# Altium PCB Seeed Case (113x70x25) - Alarm Interface (32U4).PcbDoc (continued)
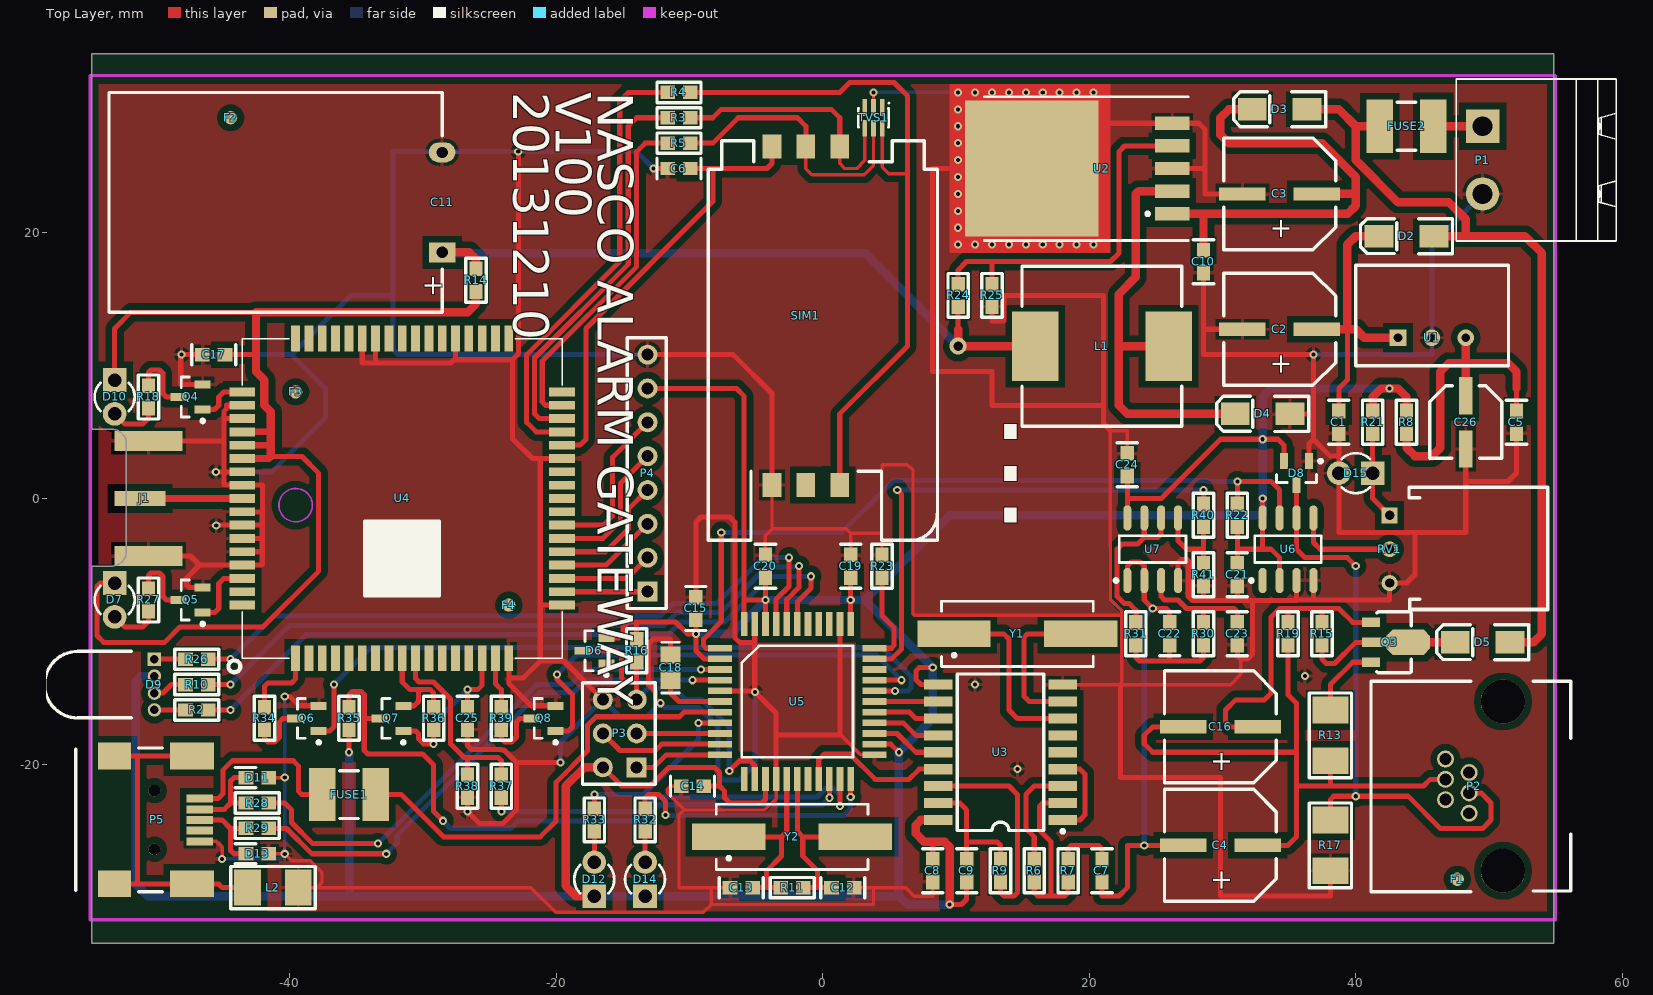
[diagram p0: Top Layer view]
## Nets (pads, with @x,y where several pads share a name; then routed paths per layer and width w, separated by ;. In a path a pad name is that pad's centre, name@x,y a point inside that pad or via, vN(x,y) a via of type N, cw(c..) or ccw(c..) an arc to the next point about the centre after c; other vN are vias at no path point)
4V: C11.1 L1.2 R14.1 R24.2 | length 53.7
  Top Layer w0.381: 10.16,12.7 R24.2
  Top Layer w0.635: C11.1 -26.543,18.475 -26.035,17.967 R14.1@-26.035,17.36 ; 10.16,12.7 v2(10.16,11.43) L1.2
  Bottom Layer w0.635: C11.1@-28.575,18.415 3.175,18.415 v2(10.16,11.43)
5V: C8.1 C9.1 C14.1 C15.1 C19.1 C20.1 C21.1 C24.1 D6.2 D8.2 D9.2 D12.1 D14.1 P3.2 P4.7 R8.2 R16.2 R21.2 R22.2 R35.2 U3.10 U3.18 U5.2 U5.14 U5.24 U5.34 U5.42 U5.44 U6.2 U6.8 U7.8 | length 314.4
  Top Layer w0.381: v1(-35.56,-19.05) R35.2 ; P3.2 -15.1,-21.59 -12.954,-21.59 -11.557,-20.193 -8.128,-20.193 -7.747,-20.574 -7.747,-21.59 ; D6.2 -15.306,-10.48 -14.986,-10.16 -14.986,-9.652 -14.605,-9.271 -13.97,-9.271 ; R16.2 -13.97,-9.271 ; P4.7 -6.477,8.255 -5.905,7.683 -5.905,-7.62 ; C15.1 v1(-9.525,-10.16) ; C14.1 -7.747,-21.59 ; U5.2 -8.915,-12.04 -9.525,-11.43 v1(-9.525,-10.16) ; U5.44 -5.905,-7.62 ; U5.14 -4.305,-22.593 -4.572,-22.86 -6.985,-22.86 -7.366,-22.479 -7.366,-21.971 -7.747,-21.59 ; U5.42 v1(-4.305,-7.62) ; C20.1 v1(-4.305,-7.62) ; U5.34 v1(2.095,-7.62) C19.1 ; U5.24 5.105,-18.44 v1(5.715,-19.05) ; C8.1 8.255,-25.781 ; v1(8.255,-12.7) 7.239,-12.7 6.985,-12.954 6.985,-13.589 7.366,-13.97 U3.10 ; v1(9.525,-30.48) 10.414,-30.48 10.795,-30.099 C9.1 ; U7.8 22.86,0 ; C24.1 22.86,0 ; C21.1 31.115,-3.81 ; R22.2 31.115,-3.81 ; v1(33.02,0) U6.8 33.02,-3.81 ; U6.2 34.29,-4.445 33.655,-3.81 33.02,-3.81 ; D8.2 34.61,3.998 34.163,4.445 v1(33.02,4.445) 29.845,4.445 25.4,0 22.86,0 ; -13.97,-9.271 -11.049,-9.271 -10.16,-10.16 v1(-9.525,-10.16) ; -5.905,-7.62 v1(-4.305,-7.62) ; 31.115,-3.81 33.02,-3.81
  Top Layer w0.635: D12.1 -18.54,-29.847 -19.304,-29.083 -19.304,-21.59 -17.894,-20.18 P3.2 ; U3.18 7.366,-24.13 6.985,-24.511 6.985,-25.146 7.62,-25.781 8.255,-25.781 9.144,-25.781 9.525,-26.162 v1(9.525,-30.48) ; R21.2 41.275,7.62 41.91,8.255 v1(42.545,8.255) 43.18,8.255 43.815,7.62 R8.2
  Bottom Layer w0.635: D9.2 -51.181,-13.335 -51.562,-13.716 -51.562,-28.956 -50.671,-29.847 -35.56,-29.847 ; v1(-35.56,-19.05) -35.56,-29.847 ; v1(-9.525,-10.16) -6.845,-10.16 v1(-4.305,-7.62) v1(2.095,-7.62) 3.175,-7.62 ; v1(9.525,-30.48) 6.35,-30.48 5.715,-29.845 ; v1(42.545,8.255) 33.655,8.255 33.02,7.62 v1(33.02,4.445) v1(33.02,0) 33.02,-1.27 9.525,-1.27 3.175,-7.62 ; -35.56,-29.847 D12.1 D14.1 5.713,-29.847 5.715,-29.845 ; 3.175,-7.62 v1(8.255,-12.7) 8.255,-16.51 v1(5.715,-19.05) 5.715,-29.845
B1: D9.4 R2.2 | length 2.3
  Top Layer w0.381: D9.4 R2.2
BLUE: R10.1 U5.40 | length 52.8
  Top Layer w0.381: R10.1 v1(-44.45,-13.97) ; U5.40 -2.705,-7.595 -1.778,-6.668 v1(-1.778,-5.08)
  Bottom Layer w0.381: v1(-44.45,-13.97) -40.005,-9.525 -11.91,-9.525 -10.957,-8.573 -7.655,-8.573 -4.226,-5.143 -1.841,-5.143 v1(-1.778,-5.08)
C2: R5.2 SIM1.C2 TVS1.5 | length 21.2
  Top Layer w0.254: SIM1.C2 -1.27,24.765 -0.813,24.308 3.099,24.308 3.81,25.019 TVS1.5
  Top Layer w0.381: R5.2 -8.255,26.67 -6.35,28.575 -1.905,28.575 -1.27,27.94 SIM1.C2
C3: R3.2 SIM1.C3 TVS1.4 | length 19.9
  Top Layer w0.254: SIM1.C3 1.27,25.146 1.651,24.765 2.54,24.765 3.16,25.385 TVS1.4
  Top Layer w0.381: R3.2 -8.255,28.575 -7.62,29.21 0.635,29.21 1.27,28.575 SIM1.C3
C7: R4.2 SIM1.C7 TVS1.6 | length 53.4
  Top Layer w0.254: TVS1.6 4.46,24.877 4.953,24.384 6.35,24.384
  Top Layer w0.381: R4.2 1.27,30.48 2.019,31.229 5.347,31.229 6.35,30.226 6.35,24.384 6.35,11.43 1.27,6.35 SIM1.C7
D+: R29.2 U5.4 | length 40.4
  Top Layer w0.381: R29.2 -40.259,-24.765 -38.354,-26.67 v1(-32.766,-26.67) ; v1(-9.779,-13.64) U5.4
  Bottom Layer w0.381: v1(-32.766,-26.67) -31.941,-25.845 -31.941,-25.274 -21.221,-14.554 -18.681,-14.554 -17.767,-13.64 v1(-9.779,-13.64)
D-: R28.2 U5.3 | length 41.5
  Top Layer w0.381: R28.2 -40.386,-22.86 -39.878,-23.368 -39.878,-24.32 -38.29,-25.908 v1(-33.401,-25.908) ; v1(-9.144,-12.827) -9.131,-12.84 U5.3 ; U5.3@-7.705,-12.827 U5.3@-7.382,-12.827
  Bottom Layer w0.381: v1(-33.401,-25.908) -21.463,-13.97 -18.923,-13.97 -17.78,-12.827 v1(-9.144,-12.827)
DTMF_0: U3.11 U5.28 | length 4.8
  Top Layer w0.381: U5.28 U3.11
DTMF_1: U3.12 U5.27 | length 5
  Top Layer w0.381: U5.27 6.515,-16.04 6.985,-16.51 U3.12
DTMF_2: U3.13 U5.26 | length 5.2
  Top Layer w0.381: U5.26 6.045,-16.84 6.985,-17.78 U3.13
DTMF_3: U3.14 U5.25 | length 5.3
  Top Layer w0.381: U5.25 5.575,-17.64 6.985,-19.05 U3.14
G1: D9.3 R10.2 | length 2.6
  Top Layer w0.381: D9.3 -49.53,-14.605 -48.895,-13.97 R10.2
GND: C1.2 C2.2 C3.2 C5.2 C6.2 C8.2 C10.2 C11.2 C12.2 C13.2 C14.2 C15.2 C17.2 C18.2 C19.2 C20.2 C21.2 C23.2 C24.2 C25.2 C26.2 D4.1 D8.1 D11.1 D13.1 D15.2 J1.2 L2.2 P1.2 P3.6 P4.8 P5.5 Q4.2 Q5.2 Q6.2 Q8.2 R17.1 R23.1 R25.1 R38.2 R41.1 RV1.3 SIM1.C5 TVS1.2 U1.2 U2.3 U2.5 U2.6 U3.9 U4.17 U4.18 U4.29 U4.39 U4.45 U4.46 U4.53 U4.54 U4.58 U4.59 U4.61 U4.62 U4.63 U4.64 U4.65 U5.5 U5.15 U5.23 U5.35 U5.43 U6.3 U6.4 U7.4 | length 768.4
  Top Layer w0.254: P5.5 -45.517,-25.73 -45.085,-26.162 v1(-45.085,-27.051) ; D13.1 v1(-40.386,-26.67) -39.865,-27.191 -38.468,-27.191 -37.592,-28.067 -37.592,-28.829 -37.973,-29.21 ; D11.1 v1(-40.386,-20.955) ; L2.2 -37.973,-29.21 ; C14.2 -11.43,-21.59 -11.684,-21.844 -11.684,-22.098 -10.401,-23.381 ; C13.2 -8.382,-29.21 ; C20.2 -4.305,-2.781 -3.81,-2.286 ; SIM1.C5 -3.81,-2.286 ; U5.15 -3.505,-22.529 -4.356,-23.381 -10.401,-23.381 ; 1.295,-17.755 1.346,-17.755 2.831,-19.24 U5.23 ; C19.2 2.095,-2.604 ; C12.2 3.81,-29.21 ; TVS1.2 v1(3.81,30.48) ; 4.381,-2.604 2.095,-2.604 ; R23.1 4.445,2.54 6.35,2.54 6.775,2.115 6.775,-8.68 6.858,-8.763 22.435,-8.763 ; C8.2 8.255,-29.845 6.858,-29.845 6.223,-29.21 3.81,-29.21 ; U3.9 22.352,-13.97 ; C24.2 22.86,5.08 21.59,5.08 21.59,-3.569 21.577,-3.582 21.577,-7.582 22.435,-8.44 22.435,-8.763 ; 31.369,-12.065 31.369,-13.208 30.607,-13.97 22.352,-13.97 ; -37.973,-29.21 -21.907,-29.21 -20.051,-31.066 -8.968,-31.066 -8.382,-30.48 ; -10.401,-23.381 -10.795,-23.774 -10.795,-29.21 -8.382,-29.21 ; -8.382,-30.48 3.81,-30.48 3.81,-29.21 ; -8.382,-30.48 -8.382,-29.21 ; -3.81,-2.286 1.777,-2.286 2.095,-2.604 ; 22.352,-13.97 22.435,-13.887 22.435,-8.763
  Top Layer w0.381: J1.2@-50.619,-4.318 -47.465,-4.318 -46.783,-5 ; J1.2@-50.619,4.318 -44.958,4.318 ; C17.2 v1(-48.133,10.795) -48.194,10.734 -48.194,8.57 Q4.2 ; Q5.2 -47.559,-6.67 -47.752,-6.477 -47.752,-5.969 -46.783,-5 ; v1(-45.561,2) -44.958,2 ; v1(-45.529,-2.032) -45.561,-2 U4.62 -42.085,-2 ; U4.64 -42.117,-4 ; U4.63 -42.101,-3 ; U4.61 -42.069,-1 -42.053,-1.016 ; U4.58 -44.958,2 ; U4.54 -44.927,6 -44.958,5.969 ; U4.53 -44.74,7 -44.755,6.985 -44.755,6.743 -44.958,6.54 -44.958,5.969 ; v1(-40.386,-14.859) -40.005,-14.859 -39.304,-15.56 Q6.2 ; U4.46 -34.569,10.185 -33.299,10.185 ; -33.569,10.16 -27.94,10.16 -27.686,10.414 -27.568,10.414 ; -33.569,10.246 U4.45 ; C11.2@-28.702,26.035 C11.2@-28.642,25.975 ; U4.39 -27.568,10.414 ; R38.2 v1(-26.67,-23.495) -25.781,-24.384 -24.003,-24.384 -22.987,-23.368 -22.987,-19.812 ; C25.2 -26.67,-18.542 -26.365,-18.847 -24.143,-18.847 ; -24.117,-18.872 -23.927,-18.872 -22.987,-19.812 ; U4.17 -23.568,-13.462 ; v1(-22.86,26.035) -22.844,26.019 -22.844,10.872 -23.302,10.414 ; -21.21,-7.748 -21.21,2.874 -21.336,3 ; -21.209,-7.748 -21.209,-8 ; Q8.2 -21.905,-15.56 -23.568,-13.897 -23.568,-13.462 ; v1(-19.685,-19.812) -22.987,-19.812 ; U4.18 -21.209,-8 ; U4.29 -21.336,3 ; P3.6@-16.561,-15.1 P3.6 -19.418,-12.192 -21.209,-12.192 ; P4.8 -6.731,10.795 -3.81,7.874 SIM1.C5 ; v1(-12.7,24.765) C6.2 ; v1(-12.192,-15.367) -12.573,-14.986 -12.573,-14.478 -13.076,-13.975 -13.076,-10.917 -12.7,-10.541 -11.43,-10.541 C18.2 ; C15.2 -9.525,-1.778 -9.144,-1.397 -6.985,-1.397 -6.604,-1.778 -6.604,-10.448 -6.257,-10.795 -5.105,-10.795 ; U5.5 v1@-5.169,-14.44 ; U5.43 -5.105,-10.795 ; U5.15 -3.505,-17.856 ; U5.35 1.295,-17.755 -3.404,-17.755 -3.505,-17.856 ; R25.1 12.7,13.335 13.589,13.335 13.589,15.24 21.082,15.24 21.082,5.588 21.59,5.08 ; U2.6 8.255,24.765 8.255,9.525 12.7,9.525 12.7,6.985 20.955,6.985 ; 21.307,28.165 U2.5 28.223,28.165 28.702,27.686 28.702,22.86 C3.2 ; 22.352,-13.97 22.352,-20.955 29.845,-20.955 29.845,-29.845 38.1,-29.845 R17.1 ; U2.3 28.702,24.765 ; U7.4 26.67,-4.826 26.924,-4.572 27.305,-4.572 27.432,-4.699 27.432,-7.366 27.737,-7.671 28.575,-7.671 ; R41.1 28.575,-7.671 ; C10.2 28.575,12.7 ; C23.2 31.115,-11.811 31.369,-12.065 31.877,-12.065 32.258,-11.684 32.258,-7.671 ; 31.115,-7.544 C21.2 ; C2.2 28.575,12.7 ; D4.1 36.83,6.35 ; U6.3 35.56,-7.62 ; D8.1 36.51,4.125 36.83,4.445 ; U6.4 36.83,-7.62 ; C1.2 38.735,3.175 ; C26.2 48.26,1.27 ; C5.2 52.07,1.905 51.435,1.27 48.26,1.27 ; -46.783,-5 U4.65 -42.116,-5 -42.053,-4.937 -42.053,-1.016 ; -44.958,2 -44.958,4.318 ; -44.958,2 -44.958,1.016 -43.585,1.016 U4.59 -42.053,1 -42.053,-1.016 ; -44.958,4.318 -44.958,5.969 ; -27.568,10.414 -23.302,10.414 ; -23.568,-13.462 -22.479,-13.462 -21.209,-12.192 ; -23.302,10.414 -23.302,4.506 -21.796,3 -21.336,3 ; -21.209,-12.192 -21.209,-8 ; v1@-5.169,-14.44 -5.105,-14.376 -5.105,-10.795 ; v1@-5.169,-14.44 v1(-5.08,-14.529) -3.505,-16.104 -3.505,-17.856 ; 28.575,-7.671 32.258,-7.671 ; 28.575,12.7 28.575,10.795 v1(36.83,10.795) 36.83,6.35 ; 32.258,-7.671 35.509,-7.671 35.56,-7.62 ; 35.56,-7.62 36.83,-7.62 ; 36.83,-7.62 42.545,-7.62 RV1.3 43.815,-6.35 44.45,-5.715 44.45,-2.54 ; 36.83,4.445 38.1,3.175 38.735,3.175 ; 36.83,4.445 36.83,6.35 ; 38.735,3.175 38.735,1.899 D15.2 38.737,-2.538 42.679,-2.538 42.68,-2.54 44.45,-2.54 ; 44.45,-2.54 48.26,-2.54 48.26,1.27
  Bottom Layer w0.254: v1(-45.085,-27.051) -40.767,-27.051 v1(-40.386,-26.67) v1(-40.386,-20.955) v1(-40.386,-14.859) ; v1(3.81,30.48) v1(10.16,30.48)
  Bottom Layer w0.381: v1(-48.133,10.795) -39.878,10.795 ; v1(-45.561,2) -41.37,2 -37.338,6.032 -37.338,8.255 -39.878,10.795 ; v1(-19.685,-19.812) -19.685,-18.275 P3.6 -15.227,-16.383 -13.208,-16.383 v1(-12.192,-15.367) -11.875,-15.684 -9.306,-15.684 -7.874,-17.116 -7.874,-20.701 -7.429,-21.145 -6.286,-21.145 -5.08,-19.939 v1(-5.08,-14.529) ; P4.8 -31.877,10.795 -32.258,11.176 -32.258,15.24 ; v1(-12.7,24.765) -13.97,26.035 v1(-22.86,26.035) -32.258,26.035 -32.258,15.24 ; v1(36.83,10.795) 45.72,10.795 U1.2 45.72,19.05 P1.2 ; -39.878,10.795 -35.433,15.24 -32.258,15.24
  other v1: 14.605,-20.32 11.43,-13.97 36.195,-13.335 10.16,19.05 11.43,19.05 12.7,19.05 13.97,19.05 15.24,19.05 16.51,19.05 17.78,19.05 19.05,19.05 20.32,19.05 10.16,20.32 10.16,21.59 10.16,22.86 10.16,24.13 10.16,25.4 10.16,26.67 10.16,27.94 10.16,29.21 11.43,30.48 12.7,30.48 13.97,30.48 15.24,30.48 16.51,30.48 17.78,30.48 19.05,30.48 20.32,30.48
GREEN: R2.1 U5.39 | length 53.4
  Top Layer w0.381: R2.1 v1(-44.45,-15.875) ; U5.39 -1.905,-7.747 -0.889,-6.731 v1(-0.889,-5.842)
  Bottom Layer w0.381: v1(-44.45,-15.875) -38.798,-10.223 -11.62,-10.223 -10.668,-9.271 -7.366,-9.271 -3.937,-5.842 v1(-0.889,-5.842)
HWB: R23.2 U5.33 | length 7
  Top Layer w0.381: U5.33 5.143,-11.24 5.334,-11.049 5.334,-9.686 4.445,-8.797 R23.2
LINE: C4.2 C7.2 C22.2 U7.1 U7.2 | length 36.9
  Top Layer w0.381: C7.2 20.955,-29.845 22.225,-29.845 22.86,-29.21 22.86,-26.035 v1(24.13,-26.035) C4.2 ; U7.1 22.86,-5.08 23.177,-4.763 23.812,-4.763 24.13,-5.08 U7.2 24.13,-7.62 v1(24.765,-8.255) 25.781,-8.255 26.035,-8.509 C22.2
  Bottom Layer w0.381: v1(24.13,-26.035) 24.13,-8.89 v1(24.765,-8.255)
LINE_L: P4.6 U4.24 | length 12.2
  Top Layer w0.381: U4.24 -16.478,-2 -15.773,-1.295 -15.773,3.095 P4.6
LINE_R: P4.5 U4.23 | length 10.6
  Top Layer w0.381: U4.23 -16.51,-3 -15.189,-1.679 -15.189,1.139 P4.5
MIC_N: P4.2 U4.20 | length 7.1
  Top Layer w0.381: U4.20 -14.709,-6 P4.2
MIC_P: P4.1 U4.19 | length 6.4
  Top Layer w0.381: U4.19 -13.169,-7 P4.1
MISO: P3.1 U5.11 | length 6.7
  Top Layer w0.381: P3.1 -12.687,-20.18 -11.747,-19.24 U5.11
MOSI: P3.4 U5.10 | length 9.5
  Top Layer w0.381: P3.4 -15.227,-18.923 -12.573,-18.923 -12.09,-18.44 U5.10
NetC5_1: C5.1 C26.1 R8.1 U1.3 | length 23.4
  Top Layer w0.381: C5.1 52.07,8.255
  Top Layer w0.635: R8.1 43.815,3.81 44.45,3.175 45.72,3.175 46.355,3.81 46.355,9.525 46.99,10.16 48.26,10.16 ; C26.1 48.26,10.16 ; U1.3 48.26,10.16 ; 52.07,8.255 52.07,9.525 51.435,10.16 48.26,10.16
NetC7_1: C7.1 R7.1 | length 4.4
  Top Layer w0.381: R7.1 18.415,-26.289 18.669,-26.035 20.701,-26.035 20.955,-26.289 C7.1
NetC9_2: C9.2 R9.2 U3.17 | length 9.8
  Top Layer w0.381: U3.17 10.287,-22.86 10.795,-23.368 10.795,-25.781 ; C9.2 10.795,-25.781 ; R9.2 13.335,-26.035 13.081,-25.781 10.795,-25.781
NetC16_1: C16.1 Q3.3 R15.1 R19.2 | length 23.4
  Top Layer w0.381: C16.1 30.607,-17.145 30.226,-16.764 30.226,-15.875 30.988,-15.113 33.147,-15.113 33.655,-14.605 33.655,-8.89 34.29,-8.255 34.925,-8.255 ; R19.2 34.925,-8.255 ; R15.1 37.465,-8.255 ; Q3.3 39.775,-9.295 38.735,-8.255 37.465,-8.255 ; 34.925,-8.255 37.465,-8.255
NetC18_1: C18.1 U5.6 | length 4.9
  Top Layer w0.381: C18.1 -11.43,-14.605 -10.795,-15.24 U5.6
NetC22_1: C22.1 R30.1 R31.2 | length 8.3
  Top Layer w0.381: R31.2 23.495,-11.938 23.749,-12.192 26.035,-12.192 ; C22.1 26.035,-12.192 ; R30.1 28.575,-11.938 28.321,-12.192 26.035,-12.192
NetC23_1: C23.1 R30.2 U7.3 | length 9.3
  Top Layer w0.381: U7.3 25.4,-7.366 25.654,-7.62 26.67,-7.62 27.305,-8.255 28.575,-8.255 ; R30.2 28.575,-8.255 ; C23.1 31.115,-8.509 30.861,-8.255 28.575,-8.255
NetD4_2: D4.2 L1.1 U2.2 | length 32
  Top Layer w0.635: L1.1 22.225,11.43 ; U2.2 23.7,23.065 23.495,22.86 23.495,16.612 22.225,15.342 22.225,11.43 ; D4.2 22.86,6.35 22.225,6.985 22.225,11.43
NetD7_2: D7.2 R27.2 | length 3.8
  Top Layer w0.381: D7.2 -52.388,-9.652 -51.054,-9.652 -50.619,-9.217 R27.2
NetD10_2: D10.2 R18.2 | length 3.8
  Top Layer w0.381: D10.2 -52.388,5.588 -51.054,5.588 -50.619,6.023 R18.2
NetD12_2: D12.2 R33.2 | length 2.3
  Top Layer w0.381: D12.2@-17.145,-27.299 R33.2
NetD14_2: D14.2 R32.2 | length 2.3
  Top Layer w0.381: D14.2@-13.335,-27.299 R32.2
NetD15_1: D15.1 R21.1 RV1.1 | length 6.7
  Top Layer w0.381: R21.1@41.277,4.863 D15.1 41.275,1.896 41.275,0 RV1.1
NetFUSE1_1: FUSE1.1 P5.1 | length 13.6
  Top Layer w0.381: P5.1 -45.39,-22.53 -45.034,-22.174 -45.034,-20.396 -44.323,-19.685 -39.751,-19.685 -39.37,-20.066 -39.37,-21.971 -39.116,-22.225 FUSE1.1
NetL2_1: L2.1 P5.0 | length 25.5
  Top Layer w0.381: P5.0@-53.165,-28.93 -51.435,-28.93 ; P5.0@-53.165,-19.33 -51.435,-19.33 ; P5.0@-47.365,-19.33 -51.435,-19.33 ; L2.1 -45.085,-29.21 -45.365,-28.93 -47.365,-28.93 -51.435,-28.93 ; -51.435,-28.93 -51.435,-19.33
NetQ3_1: Q3.1 R13.2 | length 5.7
  Top Layer w0.381: R13.2 38.1,-13.97 39.775,-12.295 Q3.1
NetQ4_3: Q4.3 R18.1 | length 5.1
  Top Layer w0.381: R18.1 -50.619,9.452 -50.419,9.652 -49.784,9.652 -49.53,9.398 -49.53,7.874 -49.276,7.62 Q4.3
NetQ5_3: Q5.3 R27.1 | length 5.1
  Top Layer w0.381: R27.1 -50.619,-5.788 -50.419,-5.588 -49.784,-5.588 -49.53,-5.842 -49.53,-7.366 -49.276,-7.62 Q5.3
NetQ6_3: Q6.3 R34.1 | length 4.5
  Top Layer w0.381: R34.1 -41.91,-18.034 -41.656,-18.288 -41.148,-18.288 -40.767,-17.907 -40.767,-16.764 -40.513,-16.51 Q6.3
NetQ7_2: Q7.2 R36.1 U4.9 | length 7.7
  Top Layer w0.381: U4.9 -31.568,-13.771 -30.988,-14.351 -30.353,-14.351 ; Q7.2 -30.673,-15.56 -30.353,-15.24 -30.353,-14.351 ; R36.1 -29.21,-14.605 -29.464,-14.351 -30.353,-14.351
NetQ8_3: Q8.3 R39.1 | length 4.5
  Top Layer w0.381: R39.1 -24.13,-18.034 -23.876,-18.288 -23.368,-18.288 -22.987,-17.907 -22.987,-16.764 -22.733,-16.51 Q8.3
NetR6_1: R6.1 R7.2 U3.2 | length 13.3
  Top Layer w0.381: R6.1 15.875,-29.591 16.129,-29.845 17.145,-29.845 ; U3.2 16.51,-22.86 16.256,-23.114 16.256,-24.892 17.145,-25.781 17.145,-29.845 ; R7.2 18.415,-29.591 18.161,-29.845 17.145,-29.845
NetR6_2: R6.2 U3.3 | length 8.2
  Top Layer w0.381: R6.2 15.875,-25.4 15.24,-24.765 15.24,-22.225 15.875,-21.59 U3.3
NetR9_1: R9.1 U3.16 | length 15.9
  Top Layer w0.381: U3.16 13.97,-21.59 14.605,-22.225 14.605,-29.591 14.351,-29.845 13.589,-29.845 13.335,-29.591 R9.1
NetR24_1: R24.1 R25.2 U2.4 | length 27.1
  Top Layer w0.381: R24.1 10.16,17.145 10.795,17.78 12.7,17.78 ; R25.2 12.7,17.78 ; U2.4 22.655,26.465 22.225,26.035 22.225,18.415 21.59,17.78 12.7,17.78
NetR31_1: R31.1 U7.6 U7.7 | length 12.7
  Top Layer w0.381: R31.1 23.495,-8.382 22.987,-7.874 22.606,-7.874 22.098,-7.366 22.098,-3.81 22.479,-3.429 23.622,-3.429 24.13,-2.921 ; U7.7 24.13,-2.921 ; U7.6 25.4,-2.667 25.146,-2.921 24.13,-2.921
NetR34_2: R34.2 U4.1 | length 5.7
  Top Layer w0.381: R34.2 -41.91,-14.097 -41.656,-13.843 -39.878,-13.843 -39.569,-13.534 U4.1
NetR37_2: R37.2 R38.1 U4.10 | length 14.8
  Top Layer w0.381: U4.10 -30.568,-13.501 -30.302,-13.767 -29.222,-13.767 -27.94,-15.049 -27.94,-18.415 -26.924,-19.431 -26.67,-19.431 ; R38.1 -26.67,-19.431 ; R37.2 -24.13,-20.105 -24.13,-19.685 -24.384,-19.431 -26.67,-19.431
NetR39_2: R39.2 U4.16 | length 3.8
  Top Layer w0.381: U4.16 -24.568,-13.913 -24.13,-14.351 R39.2
NetR40_2: R40.2 R41.2 U7.5 | length 6.6
  Top Layer w0.381: U7.5 26.67,-3.175 27.305,-3.81 28.575,-3.81 ; R41.2 28.575,-3.81 ; R40.2 28.575,-3.81
NetU3_1: U3.1 U3.4 | length 6.7
  Top Layer w0.381: U3.1 19.304,-24.13 19.685,-23.749 19.685,-20.701 19.304,-20.32 U3.4
NetU3_7: U3.7 Y1.1 | length 14.5
  Top Layer w0.381: Y1.1@9.22,-10.16 13.589,-10.16 13.97,-10.541 13.97,-15.875 14.605,-16.51 U3.7
NetU3_8: U3.8 Y1.2 | length 11.2
  Top Layer w0.381: U3.8 15.494,-15.24 15.113,-14.859 15.113,-10.414 15.367,-10.16 Y1.2@18.72,-10.16
O\F\F\H\O\O\K\: R22.1 U5.1 U6.7 | length 58
  Top Layer w0.381: U5.1 -8.75,-11.24 -8.941,-11.049 -8.941,-10.564 -7.62,-9.243 v1(-7.62,-2.54) ; R22.1 v1(31.115,1.27) 33.655,1.27 34.29,0.635 U6.7
  Bottom Layer w0.381: v1(-7.62,-2.54) 1.425,-2.54 5.299,1.333 28.864,1.333 28.928,1.27 v1(31.115,1.27)
R1: D9.1 R26.2 | length 2.3
  Top Layer w0.381: D9.1 R26.2
R\E\S\E\T\: D6.3 P3.5 R16.1 U5.13 | length 24
  Top Layer w0.381: D6.3 -15.494,-11.43 -15.113,-11.811 -15.113,-13.462 -14.859,-13.716 -13.97,-13.716 ; P3.5 -13.97,-13.716 ; R16.1 -13.97,-13.716 ; v1(-7.019,-20.447) -6.257,-19.685 -5.461,-19.685 -5.105,-20.041 U5.13
  Bottom Layer w0.381: P3.5 -13.094,-14.224 -11.163,-14.224 -10.287,-15.1 -9.064,-15.1 -7.019,-17.145 v1(-7.019,-20.447)
RED: R26.1 U5.41 | length 52.2
  Top Layer w0.381: R26.1 v1(-44.45,-12.065) ; U5.41 -3.505,-7.569 -2.54,-6.604 v1(-2.54,-4.445)
  Bottom Layer w0.381: v1(-44.45,-12.065) -41.211,-8.826 -12.199,-8.826 -11.247,-7.874 -7.945,-7.874 -4.516,-4.445 v1(-2.54,-4.445)
REF: RV1.2 U6.5 | length 7.8
  Top Layer w0.381: U6.5 36.83,-3.302 37.338,-3.81 RV1.2
RF_ANT: J1.1 U4.60 | length 7.7
  Top Layer w0.508: J1.1 U4.60
RING(-): D8.3 P2.4 R17.2 U6.6 | length 45.3
  Top Layer w0.381: D8.3 U6.6 35.56,-3.81 36.195,-4.445 39.37,-4.445 v1(40.005,-5.08) ; R17.2 38.1,-22.606 38.354,-22.352 v1(40.005,-22.352) 43.942,-22.352 46.355,-24.765 49.53,-24.765 50.165,-24.13 50.165,-22.86 49.403,-22.098 P2.4
  Bottom Layer w0.381: v1(40.005,-22.352) v1(40.005,-5.08)
RXLED: R33.1 U5.8 | length 13.5
  Top Layer w0.381: R33.1 v1(-17.145,-22.225) ; v1(-9.322,-16.84) U5.8
  Bottom Layer w0.381: v1(-17.145,-22.225) -13.462,-22.225 -9.322,-18.085 v1(-9.322,-16.84)
SCK: P3.3 U5.9 | length 6.3
  Top Layer w0.381: P3.3 U5.9
SIM900_NETLIGHT: Q4.1 U4.52 | length 3.9
  Top Layer w0.381: Q4.1 -45.654,6.67 -45.339,6.985 -45.339,7.62 -44.959,8 U4.52
SIM900_P\W\R\: Q6.1 U5.29 | length 53.5
  Top Layer w0.381: Q6.1 -37.018,-17.46 -36.703,-17.145 v1(-36.703,-13.97) ; U5.29 v1(5.423,-14.44)
  Bottom Layer w0.381: v1(-36.703,-13.97) -33.909,-11.176 4.445,-11.176 6.616,-13.347 6.616,-14.212 6.388,-14.44 v1(5.423,-14.44)
SIM900_R\E\S\E\T\: Q8.1 U5.30 | length 35.1
  Top Layer w0.381: Q8.1 -19.111,-17.46 -18.796,-17.145 -18.796,-14.732 -19.939,-13.589 v1(-19.939,-13.208) ; U5.30 v1(5.918,-13.64)
  Bottom Layer w0.381: v1(-19.939,-13.208) -18.491,-11.76 4.038,-11.76 v1(5.918,-13.64)
SIM900_RXD: R37.1 U5.21 | length 30.3
  Top Layer w0.381: v1(-24.13,-23.495) -24.13,-22.733 R37.1 ; v1(1.295,-23.089) U5.21
  Bottom Layer w0.381: v1(-24.13,-23.495) -13.653,-23.495 -12.561,-22.403 -0.43,-22.403 0.206,-21.768 0.784,-21.768 1.295,-22.278 v1(1.295,-23.089)
SIM900_STATUS: Q5.1 U4.66 | length 5.1
  Top Layer w0.381: Q5.1 -45.654,-8.57 -45.339,-8.255 -45.339,-6.38 -44.959,-6 U4.66
SIM900_TXD: Q7.3 R35.1 U5.20 | length 49.4
  Top Layer w0.381: R35.1 -35.56,-14.732 -35.306,-14.478 -34.671,-14.478 -34.417,-14.732 -34.417,-16.51 ; Q7.3 -34.417,-16.51 ; v1(-28.512,-24.193) -29.21,-23.495 -29.21,-20.002 -30.048,-19.164 -34.176,-19.164 -34.417,-18.923 -34.417,-16.51 ; v1(0.495,-22.466) U5.20
  Bottom Layer w0.381: v1(-28.512,-24.193) -27.94,-24.765 -23.432,-24.765 -22.86,-24.193 -13.525,-24.193 -12.319,-22.987 -0.026,-22.987 v1(0.495,-22.466)
SIM_CLK: R3.1 U4.32 | length 29.9
  Top Layer w0.381: U4.32 -21.291,6 -21.641,6.35 -21.641,10.553 -14.605,17.589 -14.605,27.94 -13.97,28.575 R3.1
SIM_DATA: R4.1 U4.31 | length 33.8
  Top Layer w0.381: U4.31 -21.51,5 -22.225,5.715 -22.225,10.795 -15.24,17.78 -15.24,29.845 -14.605,30.48 R4.1
SIM_RST: R5.1 U4.33 | length 25.9
  Top Layer w0.381: U4.33 -20.818,7 -21.057,7.239 -21.057,10.311 -13.97,17.398 -13.97,26.035 -13.335,26.67 R5.1
SIM_VDD: C6.1 SIM1.C1 U4.30 | length 33.8
  Top Layer w0.381: U4.30 -18.225,4 -17.78,4.445 -17.78,12.761 -8.255,22.286 -8.255,24.765 ; C6.1 -8.255,24.765 ; SIM1.C1 -3.81,25.146 -4.191,24.765 -8.255,24.765
SPK_N: P4.4 U4.22 | length 9.2
  Top Layer w0.381: U4.22 -16.319,-4 -14.605,-2.286 -14.605,-0.816 P4.4
SPK_P: P4.3 U4.21 | length 7.7
  Top Layer w0.381: U4.21 -16.249,-5 P4.3
STD: U3.15 U5.19 | length 11.7
  Top Layer w0.381: U5.19 -0.305,-19.609 0.127,-19.177 2.032,-19.177 3.937,-21.082 6.477,-21.082 7.239,-20.32 U3.15
TIP(+): C4.1 C16.2 P2.3 R13.1 R19.1 | length 46.6
  Top Layer w0.381: C16.2 24.765,-17.145 24.13,-17.78 24.13,-18.415 24.765,-19.05 35.56,-19.05 ; C4.1 34.925,-26.035 35.56,-25.4 35.56,-21.59 ; R19.1 34.925,-14.732 35.56,-15.367 35.56,-19.05 ; R13.1 38.1,-21.59 ; P2.3 45.593,-21.082 45.085,-21.59 38.1,-21.59 ; 35.56,-21.59 38.1,-21.59 ; 35.56,-21.59 35.56,-19.05
TONE: R40.1 U5.32 | length 38.4
  Top Layer w0.381: U5.32 5.169,-12.04 5.918,-11.291 5.918,0.305 v1(5.588,0.635) ; R40.1 v1(28.575,0.635)
  Bottom Layer w0.381: v1(5.588,0.635) v1(28.575,0.635)
TXLED: R32.1 U5.22 | length 20
  Top Layer w0.381: R32.1 -13.335,-22.479 -13.081,-22.225 -12.319,-22.225 -11.811,-22.733 v1(-11.811,-23.749) ; v1(2.095,-22.416) U5.22
  Bottom Layer w0.381: v1(-11.811,-23.749) -11.772,-23.788 1.584,-23.788 2.095,-23.277 v1(2.095,-22.416)
USB+: D13.2 P5.3 R29.1 | length 6.6
  Top Layer w0.381: P5.3 -45.085,-24.13 -44.45,-24.765 ; D13.2 -44.196,-26.67 -44.45,-26.416 -44.45,-24.765 ; R29.1 -44.45,-24.765
USB-: D11.2 P5.2 R28.1 | length 6.6
  Top Layer w0.381: P5.2 -44.92,-23.33 -44.45,-22.86 ; R28.1 -44.45,-22.86 ; D11.2 -44.196,-20.955 -44.45,-21.209 -44.45,-22.86
V+: D2.1 D3.1 D5.1 FUSE2.2 | length 58.6
  Top Layer w0.635: D3.1 38.735,29.21 40.005,27.94 ; FUSE2.2 40.005,27.94 ; 46.99,19.685 48.26,19.685 ; D5.1 53.34,-10.795 53.975,-10.16 53.975,18.415 52.705,19.685 48.26,19.685 ; 40.005,27.94 40.005,25.4 43.18,22.225 46.99,22.225 48.26,20.955 48.26,19.685
V+1: C3.1 C10.1 D3.2 U2.1 | length 37.3
  Top Layer w0.635: U2.1 28.575,21.365 ; C10.1 28.575,21.365 ; D3.2 30.48,29.21 29.845,28.575 29.845,27.305 30.48,26.67 37.465,26.67 40.005,24.13 40.005,22.987 ; C3.1 39.878,22.86 40.005,22.987 ; 28.575,21.365 39.399,21.365 40.005,21.971 40.005,22.987
V+2: C1.1 C2.1 D2.2 U1.1 | length 21.8
  Top Layer w0.381: C1.1 38.735,8.255 39.37,8.89 39.37,12.7
  Top Layer w0.635: C2.1 39.37,12.7 ; D2.2 40.005,19.685 39.37,19.05 39.37,12.7 ; U1.1 40.64,12.065 40.005,12.7 39.37,12.7
V_LINE: D5.2 Q3.2 R15.2 | length 11.9
  Top Layer w0.381: R15.2 37.465,-12.065 37.782,-12.383 38.417,-12.383 40.005,-10.795 Q3.2@41.382,-10.795
  Top Layer w0.635: Q3.2@41.383,-10.795 43.933,-10.795 D5.2
VBAT: C17.1 D7.1 D10.1 R14.2 U4.55 U4.56 U4.57 | length 87.5
  Top Layer w0.381: D7.1 -54.224,-6.348 -54.479,-6.604 -54.479,-10.291 -53.975,-10.795 -49.403,-10.795 -48.26,-9.652 -42.037,-9.652 -37.844,-5.459 -37.844,1.903 -39.097,3.156 -41.421,3.156 ; D10.1 -53.151,12.762 -51.943,13.97 -42.545,13.97 ; C17.1 -42.545,10.795
  Top Layer w0.508: U4.57 -41.577,3 -41.421,3.156 ; U4.55 -41.421,5 ; -42.545,4 -41.421,4
  Top Layer w0.635: -41.421,3.156 -41.421,4 -41.421,5 -41.421,6.496 -41.91,6.985 -41.91,8.89 -42.545,9.525 -42.545,10.795 -42.545,13.97 -26.67,13.97 -26.035,14.605 R14.2 R14.2@-26.035,15.66
VBUS: FUSE1.2 U5.7 | length 33.9
  Top Layer w0.381: FUSE1.2 -31.647,-22.225 -28.472,-25.4 -21.209,-25.4 -20.015,-24.206 -20.015,-21.295 -17.654,-18.934 -17.654,-17.019 -17.018,-16.383 -10.757,-16.383 -10.414,-16.04 U5.7
VDD_EXT: C25.1 Q7.1 R36.2 U4.15 | length 13.6
  Top Layer w0.381: Q7.1 -30.546,-17.46 -30.353,-17.653 -30.353,-18.034 -29.972,-18.415 v1(-29.21,-18.415) R36.2 ; C25.1 v1(-26.67,-14.351) -25.908,-14.351 -25.568,-14.011 U4.15
  Bottom Layer w0.381: v1(-29.21,-18.415) -29.21,-16.891 v1(-26.67,-14.351)
VIN: FUSE2.1 P1.1 | length 3.7
  Top Layer w0.635: FUSE2.1 P1.1
XTAL1: C12.1 R11.2 U5.17 Y2.2 | length 21.6
  Top Layer w0.381: U5.17 -1.905,-25 -1.505,-25.4 ; R11.2 -0.4,-29.21 ; C12.1 -0.4,-29.21 ; -1.505,-26.835 -1.505,-25.4 ; -1.505,-26.835 -0.4,-27.94 ; -1.505,-26.835 -0.4,-27.94 ; -1.505,-25.4 Y2.2 -1.505,-25.4 ; -0.4,-29.21 -0.4,-27.94 ; -0.4,-29.21 -0.4,-27.94
XTAL2: C13.1 R11.1 U5.16 Y2.1 | length 14.9
  Top Layer w0.381: Y2.1 -3.105,-25.4 ; C13.1 -4.21,-29.21 ; R11.1 -4.21,-29.21 ; U5.16 -2.705,-25 -3.105,-25.4 ; -4.21,-29.21 -4.21,-27.94 -3.105,-26.835 -3.105,-25.4
pads on no net: D6.1 F1.0 F2.0 F3.0 F4.0 P2.0 P2.1 P2.2 P2.5 P2.6 P5.4 P5.MT SIM1.C6 TVS1.1 TVS1.3 U3.5 U3.6 U4.2 U4.3 U4.4 U4.5 U4.6 U4.7 U4.8 U4.11 U4.12 U4.13 U4.14 U4.25 U4.26 U4.27 U4.28 U4.34 U4.35 U4.36 U4.37 U4.38 U4.40 U4.41 U4.42 U4.43 U4.44 U4.47 U4.48 U4.49 U4.50 U4.51 U4.67 U4.68 U5.12 U5.18 U5.31 U5.36 U5.37 U5.38 U6.1

## Polygon pours and split planes (outlines as drawn)
GND on Top Layer "GND" (solid, remove dead copper, pour order 2): -55.127,-31.631 ccw(c-55,-31.635) -55,-31.762 55,-31.762 ccw(c55,-31.635) 55.127,-31.635 55.127,31.746 ccw(c55,31.75) 55.127,31.75 ccw(c55,31.75) 55,31.877 -55,31.877 ccw(c-55,31.75) -55.127,31.75
GND on Bottom Layer "GND" (solid, remove dead copper, pour order 3): -55.127,-31.631 ccw(c-55,-31.635) -55,-31.762 55,-31.762 ccw(c55,-31.635) 55.127,-31.635 55.127,31.746 ccw(c55,31.75) 55.127,31.75 ccw(c55,31.75) 55,31.877 -55,31.877 ccw(c-55,31.75) -55.127,31.75

## Keep-outs
Keep-Out Layer:
  lines w0.254: 55,31.75 -55,31.75 -55,-31.635 55,-31.635 55,31.75 ; 55,31.75 55,31.75

## Silkscreen, mask and mechanical layers (free items; w line width, h text height)
Top Overlay:
  text "20131210" at -24.13,30.48 h4.57 r270
  text "V100" at -20.955,30.48 h4.57 r270
  text "NASCO ALARM GATEWAY" at -17.78,30.48 h4.57 r270
  text "⋮" at 9.525,-3.175 h11.43
Bottom Overlay:
  text "http://ludzinc.blogspot.com.au" at 9.493,28.126 h4.57
  text "⋮" at -25.4,18.415 h38.1 r90
Mechanical 1:
  lines w0.254: -52.399,-0.129 -52.399,4.08 ccw(c-53.399,4.08) -53.399,5.08 -55,5.08 -55,33.5 55,33.5 55,-33.5 ; -52.399,0.256 -52.399,-3.953 cw(c-53.399,-3.953) -53.399,-4.953 -55,-4.953 ; -55,-33.5 -55,-33.5 ; -55,-33.5 -55,-33.5 ; -55,-33.5 55,-33.5 ; -55,-33.5 -55,-4.953 ; -55,-4.953 -55,-4.953 ; 55,-33.5 55,-33.5 ; 55,-33.5 55,-33.5 ; 0,33.5 0,33.5
Mechanical 2:
  lines w0.254: -56.15,-35.5 -56.15,35.5 56.15,35.5 56.15,-35.5 -56.15,-35.5 ; 55,31.949 55,31.949
Mechanical 3:
  lines w0.254: -58.42,-13.97 -50.165,-13.97 ; -58.42,-7.62 -58.42,-7.618 -53.151,-7.618 ; -58.42,0 -50.8,0 ; -58.42,7.62 -53.151,7.62 ; -53.151,-8.888 -53.151,-6.348 ; -53.151,6.352 -53.151,8.892 ; -50.165,-26.33 -50.165,-21.93 ; -50.165,-14.605 -50.165,-13.335

## Text inside footprints (layer, text, board x,y; h text height)
C2: Top Overlay "+" at 35.04,9.225 h1.5 r90
C3: Top Overlay "+" at 35.04,19.385 h1.5 r90
C4: Top Overlay "+" at 30.595,-29.51 h1.5 r90
C11: Top Overlay "+" at -28.588,16.843 h1.5 r90
C16: Top Overlay "+" at 30.595,-20.62 h1.5 r90